# Altium PCB subboard.PcbDoc (part 2 of 2)
Units mm, origin at the board's own origin, x right, y up, seen from the top; angles counter-clockwise.
Board outline 92 x 133 mm, 4 copper layers (L1, L2 (VCC), L3 (GND), L4), stack 1.536 mm thick; 166 components, 194 nets, 865 pads, 212 vias.
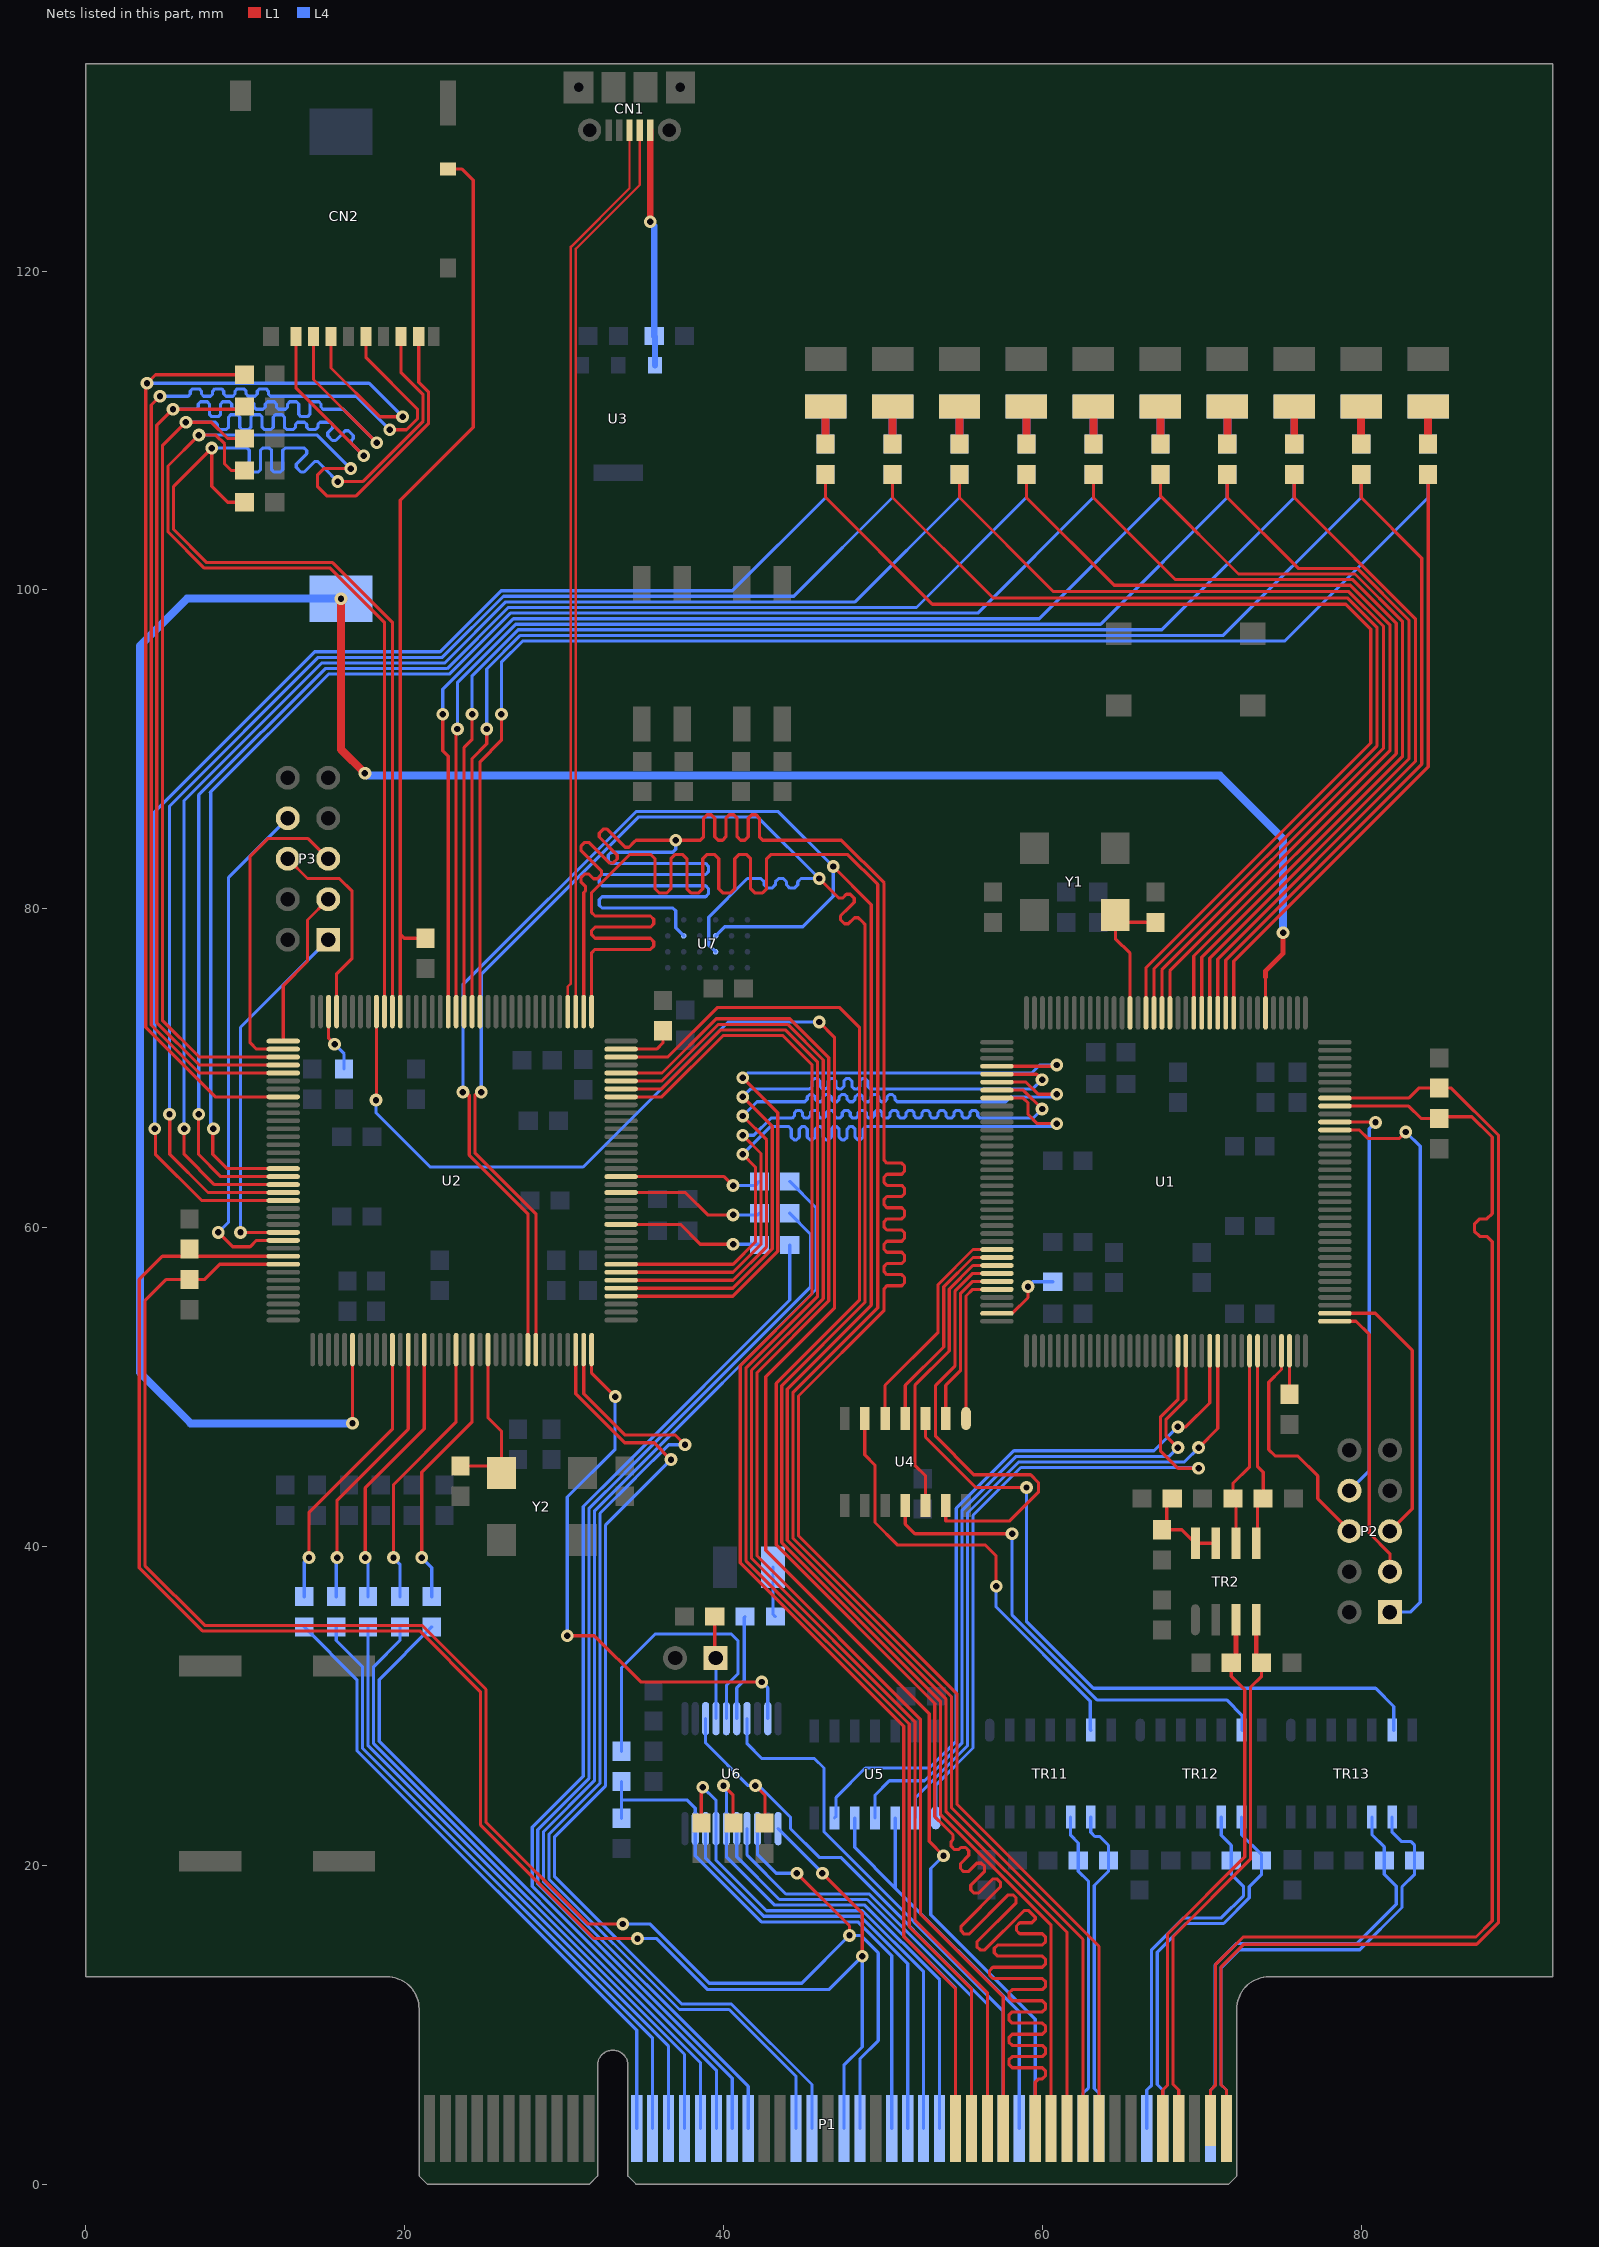
[diagram p4: the nets of this part, all layers, seen from the top]

## Via types
v1: diameter 0.8, hole 0.4, L1 to L4, 212 vias

## Nets (pads, with @x,y where several pads share a name; then routed paths per layer and width w, separated by ;. In a path a pad name is that pad's centre, name@x,y a point inside that pad or via, vN(x,y) a via of type N, cw(c..) or ccw(c..) an arc to the next point about the centre after c; other vN are vias at no path point) (continued)
GPIO12: P1.B32 U2.65 | length 88.5
  L1 w0.2: U2.65@33.575,68.2 36.125,68.2 39.975,72.05 43.725,72.05 45.55,70.225 45.55,55.835 41.05,51.335 41.05,38.97 51.3,28.72 51.3,15.505 54.55,12.255 P1.B32@54.55,3.5
GPIO13: P1.B33 U2.66 | length 89.3
  L1 w0.2: U2.66@33.575,68.7 36.13,68.7 39.83,72.4 43.87,72.4 45.9,70.37 45.9,55.69 41.4,51.19 41.4,39.115 51.65,28.865 51.65,16.155 55.55,12.255 P1.B33@55.55,3.5
GPIO14: P1.B34 U2.67 | length 90.1
  L1 w0.2: U2.67@33.575,69.2 36.135,69.2 39.685,72.75 44.015,72.75 46.25,70.515 46.25,55.545 41.75,51.045 41.75,39.26 52,29.01 52,16.55 56.55,12 P1.B34@56.55,3.5
GPIO15: P1.B35 U2.68 | length 90.9
  L1 w0.2: U2.68@33.575,69.7 36.14,69.7 39.54,73.1 44.16,73.1 46.6,70.66 46.6,55.4 42.1,50.9 42.1,39.405 52.35,29.155 52.35,16.95 57.55,11.75 P1.B35@57.55,3.5
I2C1.SCL: P1.B48 R1.2 U1.136 | length 89.8
  L1 w0.2: P1.B48@70.55,4 70.55,5.9 70.85,6.2 70.85,13.75 72.6,15.5 87.2,15.5 88.216,16.516 88.216,59 88.216,59.12 87.886,59.45 87.43,59.45 87.1,59.78 87.1,60.22 87.43,60.55 87.886,60.55 88.216,60.88 88.216,61.65 88.216,62.2 88.216,65.684 86.945,66.955 85.005,66.955 R1.2@84.9,66.85 83.75,66.85 82.975,67.625 U1.136@78.35,67.625
I2C1.SDA: P1.B49 R2.1 U1.137 | length 89.9
  L1 w0.2: P1.B49@71.55,3.5 71.55,5.9 71.2,6.25 71.2,13.605 72.64,15.045 87.24,15.045 88.616,16.421 88.616,65.779 85.645,68.75 R2.1@84.9,68.75 83.6,68.75 82.975,68.125 U1.137@78.35,68.125
I2C2.SCL: P1.A25 R16.2 U2.136 U6.11 | length 111.6
  L1 w0.2: U2.136@12.375,58.2 6.95,58.2 R16.2@6.5,58.65 6.05,58.2 4.8,58.2 3.35,56.75 3.35,38.655 7.305,34.7 20.939,34.7 24.75,30.889 24.75,22.55 31.9,15.4 v1(34.6,15.4) ; v1(46.2,19.5) 48.7,17 v1(48.7,14.3)
  L4 w0.2: v1(34.6,15.4) 35.805,15.4 39.005,12.2 46.6,12.2 v1(48.7,14.3) 48.7,8.6 47.55,7.45 P1.A25@47.55,3.5 ; U6.11@43.425,22.3 46.2,19.525 v1(46.2,19.5)
I2C2.SDA: P1.A26 R17.1 U2.137 U6.13 | length 111
  L1 w0.2: U2.137@12.375,57.7 8.4,57.7 7.45,56.75 R17.1@6.5,56.75 5.05,56.75 3.7,55.4 3.7,38.8 7.45,35.05 21.084,35.05 25.1,31.034 25.1,22.7 31.481,16.319 v1(33.681,16.319) ; v1(44.6,19.5) 47.9,16.2 v1(47.9,15.6)
  L4 w0.2: v1(33.681,16.319) 35.381,16.319 39.1,12.6 44.9,12.6 v1(47.9,15.6) 48.6,15.6 49.7,14.5 49.7,9 48.55,7.85 P1.A26@48.55,3.5 ; U6.13@42.125,22.3 42.125,20.685 43.31,19.5 v1(44.6,19.5)
JTAG_1.\JTRST: P2.8 U1.134 | length 26.3
  L1 w0.2: U1.134@78.35,66.625 80.875,66.625 v1(80.9,66.6)
  L4 w0.2: P2.8@79.26,43.5 80.5,44.74 80.5,66.2 v1(80.9,66.6)
JTAG_1.JTCLK: P2.3 U1.109 | length 17.9
  L1 w0.2: U1.109@78.35,54.125 79.675,54.125 80.5,53.3 80.5,40.846 81.8,39.546 P2.3@81.8,38.42
JTAG_1.JTDI: P2.5 U1.110 | length 17.7
  L1 w0.2: U1.110@78.35,54.625 80.875,54.625 83.2,52.3 83.2,42.36 P2.5@81.8,40.96
JTAG_1.JTDO: P2.1 U1.133 | length 36.9
  L1 w0.2: U1.133@78.35,66.125 79.875,66.125 80.4,65.6 82.4,65.6 v1(82.8,66)
  L4 w0.2: P2.1@81.8,35.88 83.08,35.88 83.7,36.5 83.7,65.1 v1(82.8,66)
JTAG_1.JTMS: P2.6 U1.105 | length 14.6
  L1 w0.2: U1.105@75,52.275 75,51.1 74.2,50.3 74.2,46.074 74.6,45.674 76.026,45.674 77.274,44.426 77.274,43 79.26,41.014 P2.6@79.26,40.96
JTAG_2.\JTRST: P3.8 U2.134 | length 32.4
  L1 w0.2: v1(8.3,59.7) 9.2,58.8 10.3,58.8 10.7,59.2 U2.134@12.375,59.2
  L4 w0.2: v1(8.3,59.7) 8.95,60.35 8.95,81.97 P3.8@12.66,85.68
JTAG_2.JTCLK: P3.3 U2.109 | length 10.1
  L1 w0.2: U2.109@12.375,71.7 12.375,75.175 13.9,76.7 13.9,79.3 P3.3@15.2,80.6
JTAG_2.JTDI: P3.5 U2.110 | length 19.8
  L1 w0.2: U2.110@12.375,71.2 10.7,71.2 10.3,71.6 10.3,83.3 11.4,84.4 13.94,84.4 P3.5@15.2,83.14
JTAG_2.JTDO: P3.1 U2.133 | length 23.3
  L1 w0.2: v1(9.7,59.7) U2.133@12.375,59.7
  L4 w0.2: v1(9.7,59.7) 9.7,72.56 P3.1@15.2,78.06
JTAG_2.JTMS: P3.6 U2.105 | length 12.8
  L1 w0.2: P3.6@12.66,83.14 13.9,81.9 15.9,81.9 16.7,81.1 16.7,76.9 15.725,75.925 U2.105@15.725,73.55
LED_RING: P1.A37 U2.100 | length 118.6
  L1 w0.2: v1(18.2,68) 18.225,68.025 U2.100@18.225,73.55 ; v1(46,72.9) 46.95,71.95 46.95,54.945 42.65,50.645 42.65,39.75 52.9,29.5 52.9,21.5 v1(53.8,20.6)
  L4 w0.2: v1(18.2,68) 18.2,67.2 21.6,63.8 31.19,63.8 40.29,72.9 v1(46,72.9) ; v1(53.8,20.6) 53,19.8 53,16.9 59.55,10.35 P1.A37@59.55,3.5
LEDS0: P1.A12 R18.2 | length 40.1
  L4 w0.2: R18.2@13.7,34.95 17,31.65 17,27.2 34.55,9.65 P1.A12@34.55,3.5
LEDS1: P1.A13 R19.2 | length 39.7
  L4 w0.2: R19.2@15.7,34.95 15.7,34.1 17.35,32.45 17.35,27.345 35.55,9.145 P1.A13@35.55,3.5
LEDS2: P1.A14 R20.2 | length 39.3
  L4 w0.2: R20.2@17.7,34.95 17.7,27.49 36.55,8.64 P1.A14@36.55,3.5
LEDS3: P1.A15 R21.2 | length 40.2
  L4 w0.2: R21.2@19.7,34.95 19.7,34.1 18.05,32.45 18.05,27.635 37.55,8.135 P1.A15@37.55,3.5
LEDS4: P1.A16 R22.2 | length 41.2
  L4 w0.2: R22.2@21.7,34.95 18.4,31.65 18.4,27.78 38.55,7.63 P1.A16@38.55,3.5
LEDS5: P1.A17 R23.2 | length 66.9
  L4 w0.2: P1.A17@39.55,3.5 39.55,7.14 28,18.69 28,22.38 31.2,25.58 31.2,42.505 33.45,44.755 33.45,44.76 44.15,55.46 R23.2@44.15,58.9
LEDS6: P1.A18 R24.2 | length 70.1
  L4 w0.2: P1.A18@40.55,3.5 40.55,6.635 28.35,18.835 28.35,22.235 31.55,25.435 31.55,42.36 33.8,44.61 33.8,44.615 45.45,56.265 45.45,59.6 R24.2@44.15,60.9
LEDS7: P1.A19 R25.2 | length 72.5
  L4 w0.2: P1.A19@41.55,3.5 41.55,6.13 28.7,18.98 28.7,22.09 31.9,25.29 31.9,42.215 34.15,44.465 34.15,44.47 45.8,56.12 45.8,61.25 R25.2@44.15,62.9
NetC1_2: C1.2 U1.23 Y1.3 | length 9.2
  L1 w0.2: U1.23@65.5,73.475 65.5,77.2 64.58,78.12 Y1.3@64.58,79.6 65.03,79.15 C1.2@67.1,79.15
NetC4_1: C4.1 U1.71 | length 4.7
  L1 w0.2: U1.71@57.15,54.625 58.116,54.625 59.1,55.609 v1(59.1,56.3)
  L4 w0.2: v1(59.1,56.3) 59.4,56.6 C4.1@60.65,56.6
NetC5_1: C5.1 U1.106 | length 2.7
  L1 w0.2: C5.1@75.5,49.55 U1.106@75.5,52.275
NetC19_2: C19.2 U2.23 Y2.3 | length 10.9
  L1 w0.2: C19.2@23.5,45.05 25.62,45.05 Y2.3@26.07,44.6 26.07,47.23 25.225,48.075 U2.23@25.225,52.35
NetC21_1: C21.1 U2.71 | length 3.5
  L1 w0.2: U2.71@33.575,71.2 35.8,71.2 36.2,71.6 C21.1@36.2,72.35
NetC23_1: C23.1 U2.106 | length 4
  L1 w0.2: U2.106@15.225,73.55 15.225,71.875 v1(15.6,71.5)
  L4 w0.2: v1(15.6,71.5) 16.2,70.9 C23.1@16.2,69.95
NetC51_1: C51.1 R55.1 TR2.7 TR2.8 | length 5.9
  L1 w0.2: R55.1@68.15,43 67.8,42.65 67.8,41.35 C51.1@67.5,41.05 68.75,41.05 TR2.8@69.6,40.2 TR2.7@70.87,40.2
NetD1_2: D1.2 R3.2 | length 2.4
  L1 w0.5: R3.2@84.2,109.15 D1.2@84.2,111.5
NetD2_2: D2.2 R4.2 | length 2.4
  L1 w0.5: R4.2@80,109.15 D2.2@80,111.5
NetD3_2: D3.2 R5.2 | length 2.4
  L1 w0.5: R5.2@75.8,109.15 D3.2@75.8,111.5
NetD4_2: D4.2 R6.2 | length 2.4
  L1 w0.5: R6.2@71.6,109.15 D4.2@71.6,111.5
NetD5_2: D5.2 R7.2 | length 2.4
  L1 w0.5: R7.2@67.4,109.15 D5.2@67.4,111.5
NetD6_2: D6.2 R8.2 | length 2.4
  L1 w0.5: R8.2@63.2,109.15 D6.2@63.2,111.5
NetD7_2: D7.2 R9.2 | length 2.4
  L1 w0.5: R9.2@59,109.15 D7.2@59,111.5
NetD8_2: D8.2 R10.2 | length 2.4
  L1 w0.5: R10.2@54.8,109.15 D8.2@54.8,111.5
NetD9_2: D9.2 R11.2 | length 2.4
  L1 w0.5: R11.2@50.6,109.15 D9.2@50.6,111.5
NetD10_2: D10.2 R12.2 | length 2.4
  L1 w0.5: R12.2@46.4,109.15 D10.2@46.4,111.5
NetD11_2: D11.2 R34.2 | length 2.4
  L4 w0.5: R34.2@84.2,109.15 D11.2@84.2,111.5
NetD12_2: D12.2 R35.2 | length 2.4
  L4 w0.5: R35.2@80,109.15 D12.2@80,111.5
NetD13_2: D13.2 R36.2 | length 2.4
  L4 w0.5: R36.2@75.8,109.15 D13.2@75.8,111.5
NetD14_2: D14.2 R37.2 | length 2.4
  L4 w0.5: R37.2@71.6,109.15 D14.2@71.6,111.5
NetD15_2: D15.2 R38.2 | length 2.4
  L4 w0.5: R38.2@67.4,109.15 D15.2@67.4,111.5
NetD16_2: D16.2 R39.2 | length 2.4
  L4 w0.5: R39.2@63.2,109.15 D16.2@63.2,111.5
NetD17_2: D17.2 R40.2 | length 2.4
  L4 w0.5: R40.2@59,109.15 D17.2@59,111.5
NetD18_2: D18.2 R41.2 | length 2.4
  L4 w0.5: R41.2@54.8,109.15 D18.2@54.8,111.5
NetD19_2: D19.2 R42.2 | length 2.4
  L4 w0.5: R42.2@50.6,109.15 D19.2@50.6,111.5
NetD20_2: D20.2 R43.2 | length 2.4
  L4 w0.5: R43.2@46.4,109.15 D20.2@46.4,111.5
NetD21_1: D21.1 R50.1 | length 3.2
  L4 w0.2: D21.1@43.1,38.7 43.1,35.75 R50.1@43.25,35.6
NetP4_1: P4.1 R51.1 U6.4 | length 6.4
  L1 w0.2: R51.1@39.45,35.6 39.45,33.05 P4.1@39.5,33
  L4 w0.2: P4.1@39.5,33 39.525,32.975 U6.4@39.525,29.2
NetR3_1: R3.1 U1.10 | length 38.8
  L1 w0.2: U1.10@72,73.475 72,76.709 84.2,88.909 R3.1@84.2,107.25
NetR4_1: R4.1 U1.11 | length 40.4
  L1 w0.2: U1.11@71.5,73.475 71.5,76.775 83.8,89.075 83.8,102 80,105.8 R4.1@80,107.25
NetR5_1: R5.1 U1.12 | length 42.1
  L1 w0.2: U1.12@71,73.475 71,76.84 83.4,89.24 83.4,98.2 75.8,105.8 R5.1@75.8,107.25
NetR6_1: R6.1 U1.13 | length 45.8
  L1 w0.2: U1.13@70.5,73.475 70.5,76.906 83,89.406 83,98.105 79.755,101.35 76.05,101.35 71.6,105.8 R6.1@71.6,107.25
NetR7_1: R7.1 U1.14 | length 49.6
  L1 w0.2: R7.1@67.4,107.25 67.4,105.9 72.3,101 79.61,101 82.6,98.01 82.6,89.572 70,76.972 U1.14@70,73.475
NetR8_1: R8.1 U1.15 | length 53.4
  L1 w0.2: R8.1@63.2,107.25 63.2,105.8 68.35,100.65 79.465,100.65 82.2,97.915 82.2,89.737 69.5,77.037 U1.15@69.5,73.475
NetR9_1: R9.1 U1.18 | length 57.6
  L1 w0.2: R9.1@59,107.25 59,105.8 64.5,100.3 79.32,100.3 81.8,97.82 81.8,89.903 68,76.103 U1.18@68,73.475
NetR10_1: R10.1 U1.19 | length 61.4
  L1 w0.2: R10.1@54.8,107.25 54.8,105.8 60.7,99.9 79.225,99.9 81.4,97.725 81.4,90.069 67.5,76.169 U1.19@67.5,73.475
NetR11_1: R11.1 U1.20 | length 65.2
  L1 w0.2: R11.1@50.6,107.25 50.6,105.8 56.9,99.5 79.13,99.5 81,97.63 81,90.234 67,76.234 U1.20@67,73.475
NetR12_1: R12.1 U1.21 | length 69
  L1 w0.2: R12.1@46.4,107.25 46.4,105.8 53.1,99.1 79.035,99.1 80.6,97.535 80.6,90.4 66.5,76.3 U1.21@66.5,73.475
NetR18_1: R18.1 U2.11 | length 17.8
  L1 w0.2: v1(13.991,39.3) 13.991,42.118 19.225,47.351 U2.11@19.225,52.35
  L4 w0.2: R18.1@13.7,36.85 13.7,39.009 v1(13.991,39.3)
NetR19_1: R19.1 U2.13 | length 17.4
  L1 w0.2: v1(15.759,39.3) 15.759,42.896 20.225,47.361 U2.13@20.225,52.35
  L4 w0.2: R19.1@15.7,36.85 15.7,39.241 v1(15.759,39.3)
NetR20_1: R20.1 U2.15 | length 17.1
  L1 w0.2: v1(17.527,39.3) 17.527,43.673 21.225,47.371 U2.15@21.225,52.35
  L4 w0.2: v1(17.527,39.3) 17.7,39.127 R20.1@17.7,36.85
NetR21_1: R21.1 U2.19 | length 17.3
  L1 w0.2: v1(19.295,39.3) 19.295,43.88 23.225,47.81 U2.19@23.225,52.35
  L4 w0.2: v1(19.295,39.3) 19.7,38.895 R21.1@19.7,36.85
NetR22_1: R22.1 U2.21 | length 17.1
  L1 w0.2: v1(21.063,39.3) 21.063,44.658 24.225,47.82 U2.21@24.225,52.35
  L4 w0.2: v1(21.063,39.3) 21.7,38.663 R22.1@21.7,36.85
NetR23_1: R23.1 U2.49 | length 9.2
  L1 w0.2: U2.49@33.575,60.2 37.3,60.2 38.541,58.959 v1(40.6,58.959)
  L4 w0.2: v1(40.6,58.959) 42.191,58.959 R23.1@42.25,58.9
NetR24_1: R24.1 U2.53 | length 9.3
  L1 w0.2: U2.53@33.575,62.2 37.6,62.2 39.003,60.797 v1(40.6,60.797)
  L4 w0.2: v1(40.6,60.797) 42.147,60.797 R24.1@42.25,60.9
NetR25_1: R25.1 U2.55 | length 9
  L1 w0.2: U2.55@33.575,63.2 40.036,63.2 v1(40.6,62.636)
  L4 w0.2: v1(40.6,62.636) 41.986,62.636 R25.1@42.25,62.9
NetR34_1: R34.1 U2.87 | length 86.3
  L1 w0.2: U2.87@24.725,73.55 24.725,89.225 26.063,90.563 v1(26.063,92.2)
  L4 w0.2: v1(26.063,92.2) 26.063,95.463 27.4,96.8 75.2,96.8 84.2,105.8 R34.1@84.2,107.25
NetR35_1: R35.1 U2.88 | length 82.6
  L1 w0.2: U2.88@24.225,73.55 24.225,89.425 25.144,90.344 v1(25.144,91.281)
  L4 w0.2: v1(25.144,91.281) 25.144,95.039 27.255,97.15 71.35,97.15 80,105.8 R35.1@80,107.25
NetR36_1: R36.1 U2.89 | length 78.9
  L1 w0.2: U2.89@23.725,73.55 23.725,90.125 24.225,90.625 v1(24.225,92.2)
  L4 w0.2: v1(24.225,92.2) 24.225,94.615 27.11,97.5 67.5,97.5 75.8,105.8 R36.1@75.8,107.25
NetR37_1: R37.1 U2.90 | length 75.2
  L1 w0.2: U2.90@23.225,73.55 23.225,91.2 v1(23.306,91.281)
  L4 w0.2: v1(23.306,91.281) 23.306,94.191 26.965,97.85 63.65,97.85 71.6,105.8 R37.1@71.6,107.25
NetR38_1: R38.1 U2.91 | length 71.8
  L1 w0.2: v1(22.387,92.2) 22.387,89.913 22.725,89.575 U2.91@22.725,73.55
  L4 w0.2: v1(22.387,92.2) 22.387,93.766 26.82,98.2 59.8,98.2 67.4,105.8 R38.1@67.4,107.25
NetR39_1: R39.1 U2.125 | length 92.2
  L1 w0.2: v1(8,66.2) 7.962,66.162 7.962,64.6 8.862,63.7 U2.125@12.375,63.7
  L4 w0.2: v1(8,66.2) 7.831,66.369 7.831,87.269 7.8,87.3 15.22,94.72 22.8,94.72 26.631,98.552 55.952,98.552 63.2,105.8 R39.1@63.2,107.25 R39.1@63.1,107.15
NetR40_1: R40.1 U2.126 | length 89.5
  L1 w0.2: v1(7.081,67.119) 7.062,67.1 7.062,64.6 8.462,63.2 U2.126@12.375,63.2
  L4 w0.2: v1(7.081,67.119) 7.081,87.146 15.004,95.07 22.655,95.07 26.486,98.902 52.102,98.902 59,105.8 R40.1@59,107.25
NetR41_1: R41.1 U2.127 | length 87.2
  L1 w0.2: v1(6.162,66.2) 6.162,64.6 8.062,62.7 U2.127@12.375,62.7
  L4 w0.2: v1(6.162,66.2) 6.162,86.793 14.789,95.42 22.51,95.42 26.341,99.252 48.252,99.252 54.8,105.8 R41.1@54.8,107.25
NetR42_1: R42.1 U2.128 | length 84.8
  L1 w0.2: v1(5.242,67.119) 5.262,67.1 5.262,64.6 7.662,62.2 U2.128@12.375,62.2
  L4 w0.2: v1(5.242,67.119) 5.242,86.439 14.573,95.77 22.365,95.77 26.197,99.602 44.402,99.602 50.6,105.8 R42.1@50.6,107.25
NetR43_1: R43.1 U2.129 | length 82.4
  L1 w0.2: v1(4.323,66.2) 4.362,66.162 4.362,64.6 7.262,61.7 U2.129@12.375,61.7
  L4 w0.2: v1(4.323,66.2) 4.323,86.086 14.357,96.12 22.22,96.12 26.052,99.952 40.552,99.952 46.4,105.8 R43.1@46.4,107.25
NetR50_2: R50.2 U6.6 | length 6.6
  L4 w0.2: U6.6@40.825,29.2 40.825,31.125 41.3,31.6 41.3,35.55 R50.2@41.35,35.6
NetR52_2: R52.2 U6.5 | length 18.8
  L4 w0.2: R52.2@33.6,27.15 33.6,32.4 35.7,34.5 40.5,34.5 40.9,34.1 40.9,32 40.175,31.275 U6.5@40.175,29.2
SD-CARD.\CD: CN2.A R47.1 U2.97 | length 57.6
  L1 w0.2: U2.97@19.725,73.55 19.725,78.4 ; R47.1@21.3,78.15 19.975,78.15 19.725,78.4 ; CN2.A@22.725,126.4 23.6,126.4 24.3,125.7 24.3,110.2 19.725,105.625 19.725,78.4
SD-CARD.CLK: CN2.5 U2.113 | length 75.4
  L1 w0.2: v1(4.647,112.153) 4.1,111.605 4.1,72.71 7.11,69.7 U2.113@12.375,69.7 ; CN2.5@17.575,115.9 17.575,114.564 20.8,111.339 20.8,110.739 20.113,110.053 v1(19.053,110.053)
  L4 w0.2: v1(4.647,112.153) 6.2,112.153 6.41,112.153 6.55,112.293 6.55,112.476 6.69,112.616 7.11,112.616 7.25,112.476 7.25,112.293 7.39,112.153 7.81,112.153 7.95,112.293 7.95,112.476 8.09,112.616 8.51,112.616 8.65,112.476 8.65,112.293 8.79,112.153 9.21,112.153 9.35,112.293 9.35,112.476 9.49,112.616 9.91,112.616 10.05,112.476 10.05,112.293 10.19,112.153 10.61,112.153 10.75,112.293 10.75,112.476 10.89,112.616 11.31,112.616 11.45,112.476 11.45,112.293 11.59,112.153 11.9,112.153 16.953,112.153 v1(19.053,110.053)
SD-CARD.CMD: CN2.3 R58.2 U2.116 | length 81.8
  L1 w0.2: R58.2@9.95,113.5 4.368,113.5 v1(3.834,112.966) 3.75,112.882 3.75,72.565 8.115,68.2 U2.116@12.375,68.2 ; CN2.3@15.375,115.9 15.375,113.925 18.434,110.866 v1(19.866,110.866)
  L4 w0.2: v1(3.834,112.966) 17.766,112.966 v1(19.866,110.866)
SD-CARD.D0: CN2.7 R59.2 U2.98 | length 80.5
  L1 w0.2: R59.2@9.95,105.5 8.9,105.5 7.9,106.5 v1(7.9,108.9) 5.5,106.5 5.5,103.795 7.576,101.719 15.476,101.719 19.225,97.97 U2.98@19.225,73.55 ; v1(15.8,106.8) 17.356,106.8 21.15,110.594 21.15,112.255 19.775,113.63 CN2.7@19.775,115.9
  L4 w0.2: v1(7.9,108.9) 9.2,108.9 9.55,108.9 10.11,108.9 10.25,108.76 10.25,107.54 10.39,107.4 10.81,107.4 10.95,107.54 10.95,108.76 11.09,108.9 11.51,108.9 11.65,108.76 11.65,107.54 11.79,107.4 12.21,107.4 12.35,107.54 12.35,108.76 12.49,108.9 13.05,108.9 13.7,108.9 13.848,108.752 13.848,108.554 13.19,107.895 13.19,107.697 13.487,107.4 13.685,107.4 14.343,108.059 14.541,108.059 14.937,107.663 v1(15.8,106.8)
SD-CARD.D1: CN2.8 R60.2 U2.99 | length 79.9
  L1 w0.2: R60.2@9.95,107.5 9.1,107.5 8.7,107.9 8.7,109.161 8.147,109.713 v1(7.087,109.713) 5.15,107.776 5.15,103.65 7.431,101.369 15.331,101.369 18.725,97.975 U2.99@18.725,73.55 ; v1(16.613,107.613) 14.913,107.613 14.532,107.232 14.532,106.468 15.1,105.9 16.951,105.9 21.5,110.449 21.5,112.4 20.875,113.025 CN2.8@20.875,115.9
  L4 w0.2: v1(7.087,109.713) 14.513,109.713 v1(16.613,107.613)
SD-CARD.D2: CN2.1 R61.2 U2.111 | length 79.6
  L1 w0.2: R61.2@9.95,109.5 8.9,109.5 7.874,110.526 v1(6.274,110.526) 4.8,109.053 4.8,73 7.1,70.7 U2.111@12.375,70.7 ; CN2.1@13.175,115.9 13.175,112.678 v1(17.426,108.426)
  L4 w0.2: v1(6.274,110.526) 7.2,110.526 7.55,110.526 8.11,110.526 8.25,110.386 8.25,110.203 8.39,110.063 8.81,110.063 8.95,110.203 8.95,110.526 8.95,110.85 9.09,110.99 9.51,110.99 9.65,110.85 9.65,110.526 9.65,110.203 9.79,110.063 10.21,110.063 10.35,110.203 10.35,110.526 10.35,110.85 10.49,110.99 10.91,110.99 11.05,110.85 11.05,110.526 11.05,110.203 11.19,110.063 11.61,110.063 11.75,110.203 11.75,110.526 11.75,110.85 11.89,110.99 12.31,110.99 12.45,110.85 12.45,110.526 12.45,110.203 12.59,110.063 13.01,110.063 13.15,110.203 13.15,110.386 13.29,110.526 13.71,110.526 13.85,110.386 13.85,110.203 13.99,110.063 14.41,110.063 14.55,110.203 14.55,110.386 14.69,110.526 15.25,110.526 15.326,110.526 15.475,110.378 15.475,110.18 15.167,109.872 15.167,109.674 15.464,109.377 15.662,109.377 16.069,109.784 16.273,109.988 16.471,109.988 16.768,109.691 16.768,109.493 16.663,109.388 16.663,109.19 16.8,109.053 v1(17.426,108.426)
SD-CARD.D3: CN2.2 R62.2 U2.112 | length 79.9
  L1 w0.2: R62.2@9.95,111.5 9.79,111.34 v1(5.46,111.34) 4.45,110.329 4.45,72.855 7.105,70.2 U2.112@12.375,70.2 ; CN2.2@14.275,115.9 14.275,113.204 v1(18.24,109.24)
  L4 w0.2: v1(5.46,111.34) 6.7,111.34 6.91,111.34 7.05,111.48 7.05,111.663 7.19,111.803 7.61,111.803 7.75,111.663 7.75,111.34 7.75,111.016 7.89,110.876 8.31,110.876 8.45,111.016 8.45,111.34 8.45,111.663 8.59,111.803 9.01,111.803 9.15,111.663 9.15,111.48 9.29,111.34 9.71,111.34 9.85,111.48 9.85,111.663 9.99,111.803 10.41,111.803 10.55,111.663 10.55,111.48 10.69,111.34 11.11,111.34 11.25,111.48 11.25,111.663 11.39,111.803 11.81,111.803 11.95,111.663 11.95,111.48 12.09,111.34 12.51,111.34 12.65,111.48 12.65,111.663 12.79,111.803 13.21,111.803 13.35,111.663 13.35,111.34 13.35,111.016 13.49,110.876 13.91,110.876 14.05,111.016 14.05,111.34 14.05,111.663 14.19,111.803 14.61,111.803 14.75,111.663 14.75,111.48 14.89,111.34 15.4,111.34 16.14,111.34 v1(18.24,109.24)
SDO: U2.36 U6.9 | length 35.7
  L1 w0.2: v1(30.2,34.4) 31.9,34.4 34.8,31.5 v1(42.4,31.5) ; U2.36@31.725,52.35 31.725,50.875 v1(33.2,49.4)
  L4 w0.2: v1(30.2,34.4) 30.2,43.1 33.2,46.1 v1(33.2,49.4) ; v1(42.4,31.5) 42.775,31.125 U6.9@42.775,29.2
SPI1.MISO: P1.B39 U2.28 U7.D2 | length 153.7
  L1 w0.2: v1(23.65,68.5) 23.85,68.5 24.05,68.3 24.05,64.55 27.725,60.875 U2.28@27.725,52.35 ; v1(46.876,82.65) 49.269,80.258 49.269,55.137 44,49.869 44,40.385 53.95,30.435 53.95,23.381 61.55,15.781 P1.B39@61.55,3.5
  L4 w0.2: v1(23.65,68.5) 23.65,75.245 34.505,86.1 43.426,86.1 v1(46.876,82.65) 46.876,80.776 44.975,78.875 40.075,78.875 U7.D2@39.5,78.3
SPI1.MOSI: P1.B38 U2.29 U7.D3 | length 155.3
  L1 w0.2: v1(24.8,68.5) 24.6,68.5 24.4,68.3 24.4,64.695 28.225,60.87 U2.29@28.225,52.35 ; v1(46,81.9) 47.1,80.8 47.224,80.676 47.471,80.676 47.703,80.908 47.951,80.908 48.198,80.661 48.198,80.413 47.842,80.058 47.337,79.552 47.337,79.305 47.584,79.057 47.832,79.057 48.214,79.439 48.461,79.439 48.7,79.2 48.869,79.031 48.869,55.303 43.65,50.084 43.65,40.24 53.6,30.29 53.6,23.195 60.55,16.245 P1.B38@60.55,3.5